# Altium PCB Remote.PcbDoc (part 1 of 3)
Units mil, origin at the board's own origin, x right, y up, seen from the top; angles counter-clockwise.
Board outline 7743 x 3937.01 mil, 2 copper layers (Top Layer, Bottom Layer); 184 components, 143 nets, 617 pads, 744 vias.
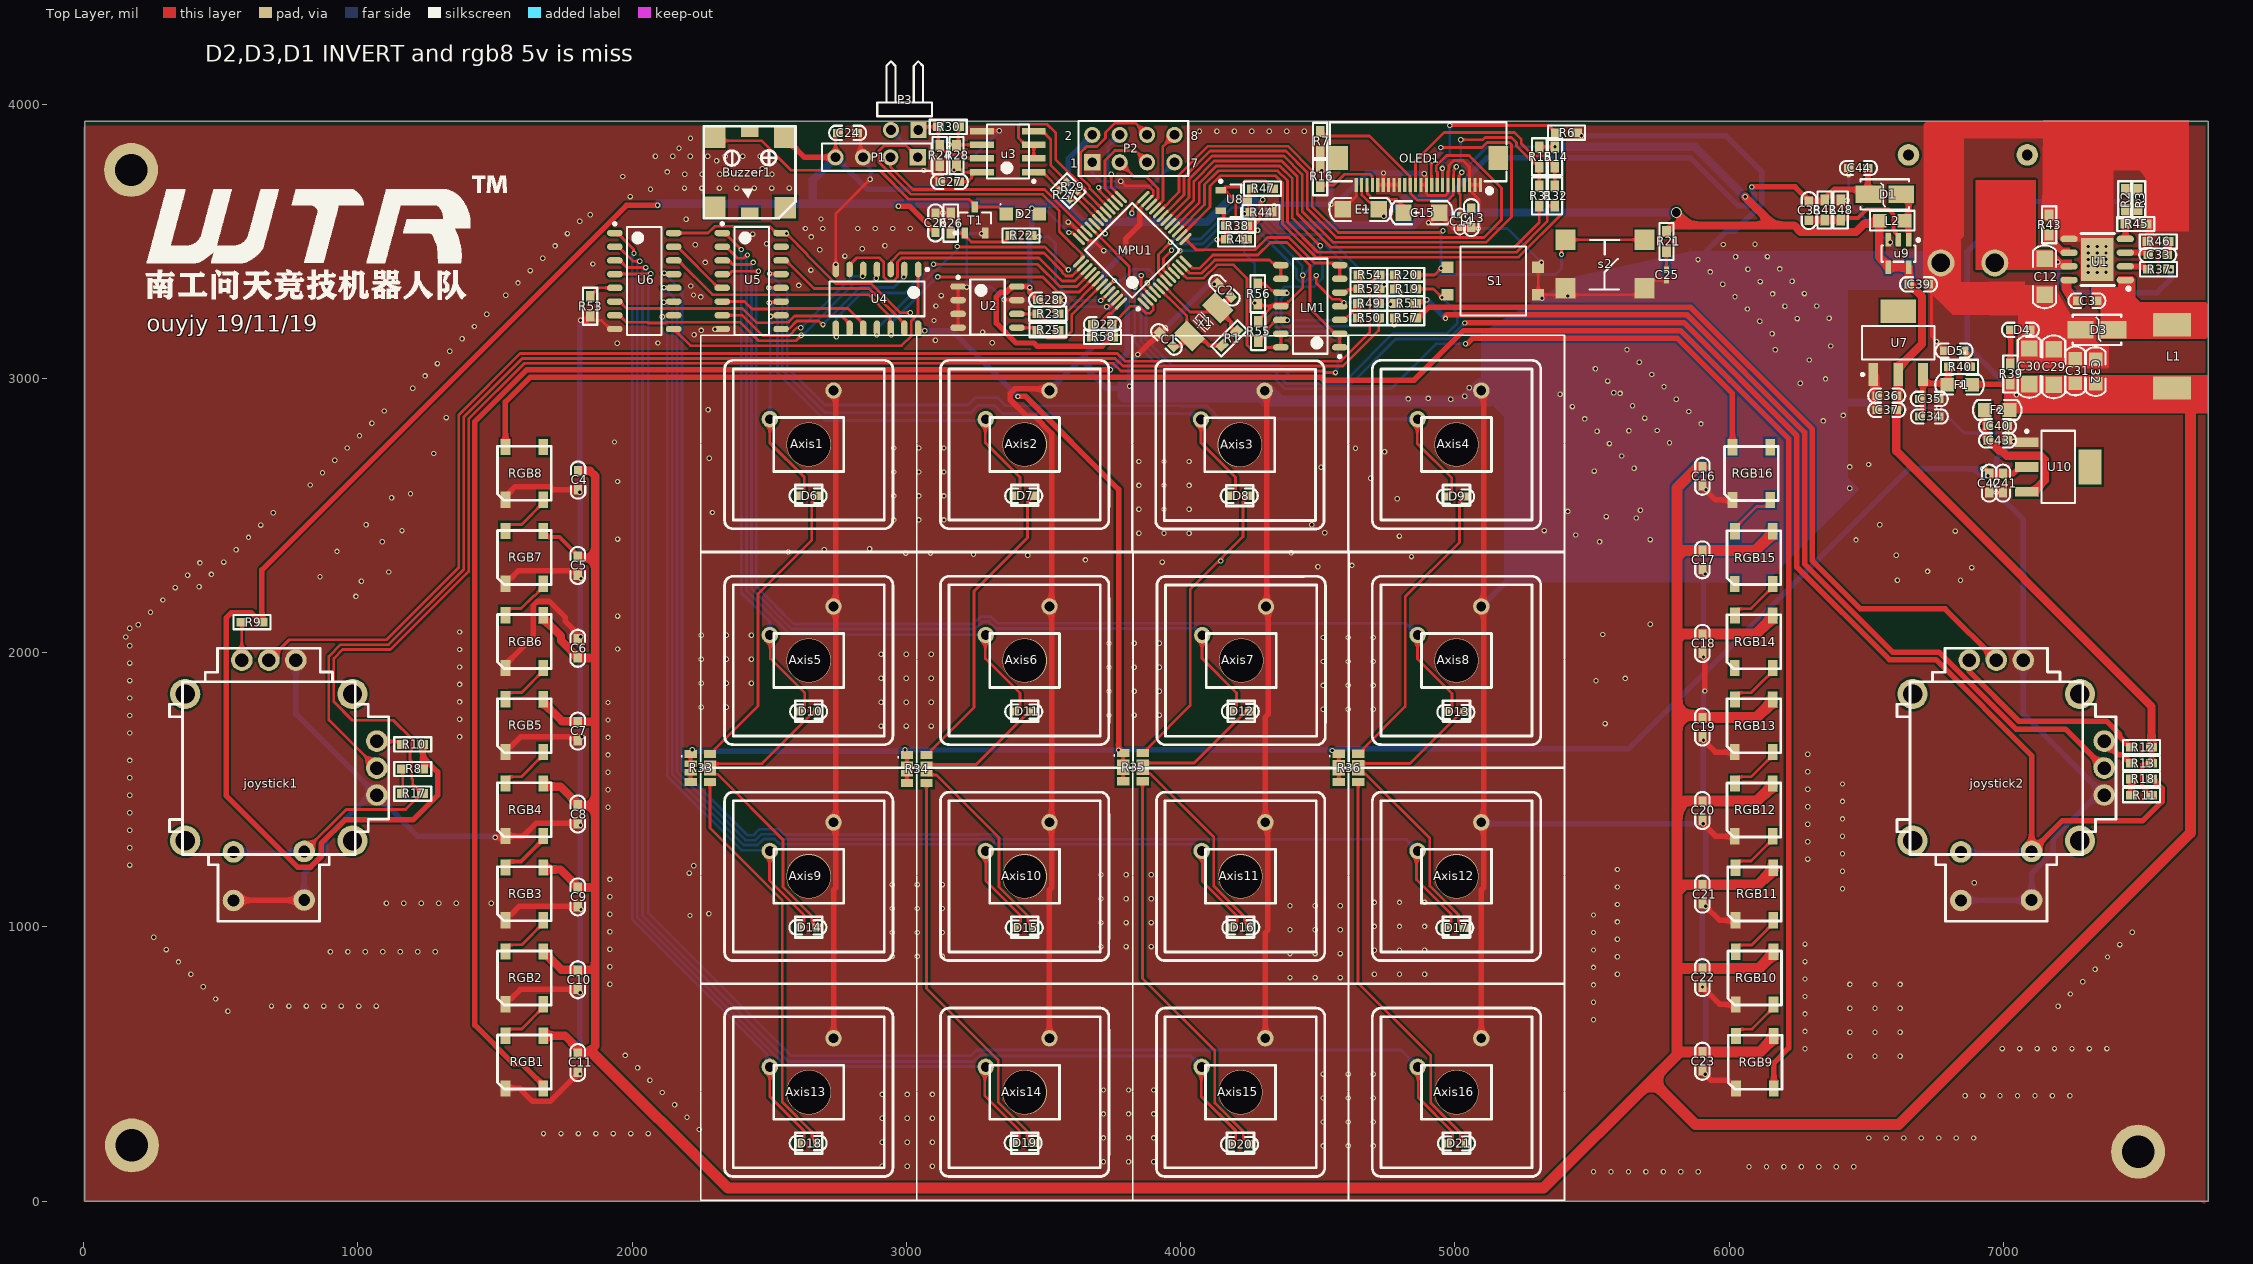
[diagram p0: Top Layer view]
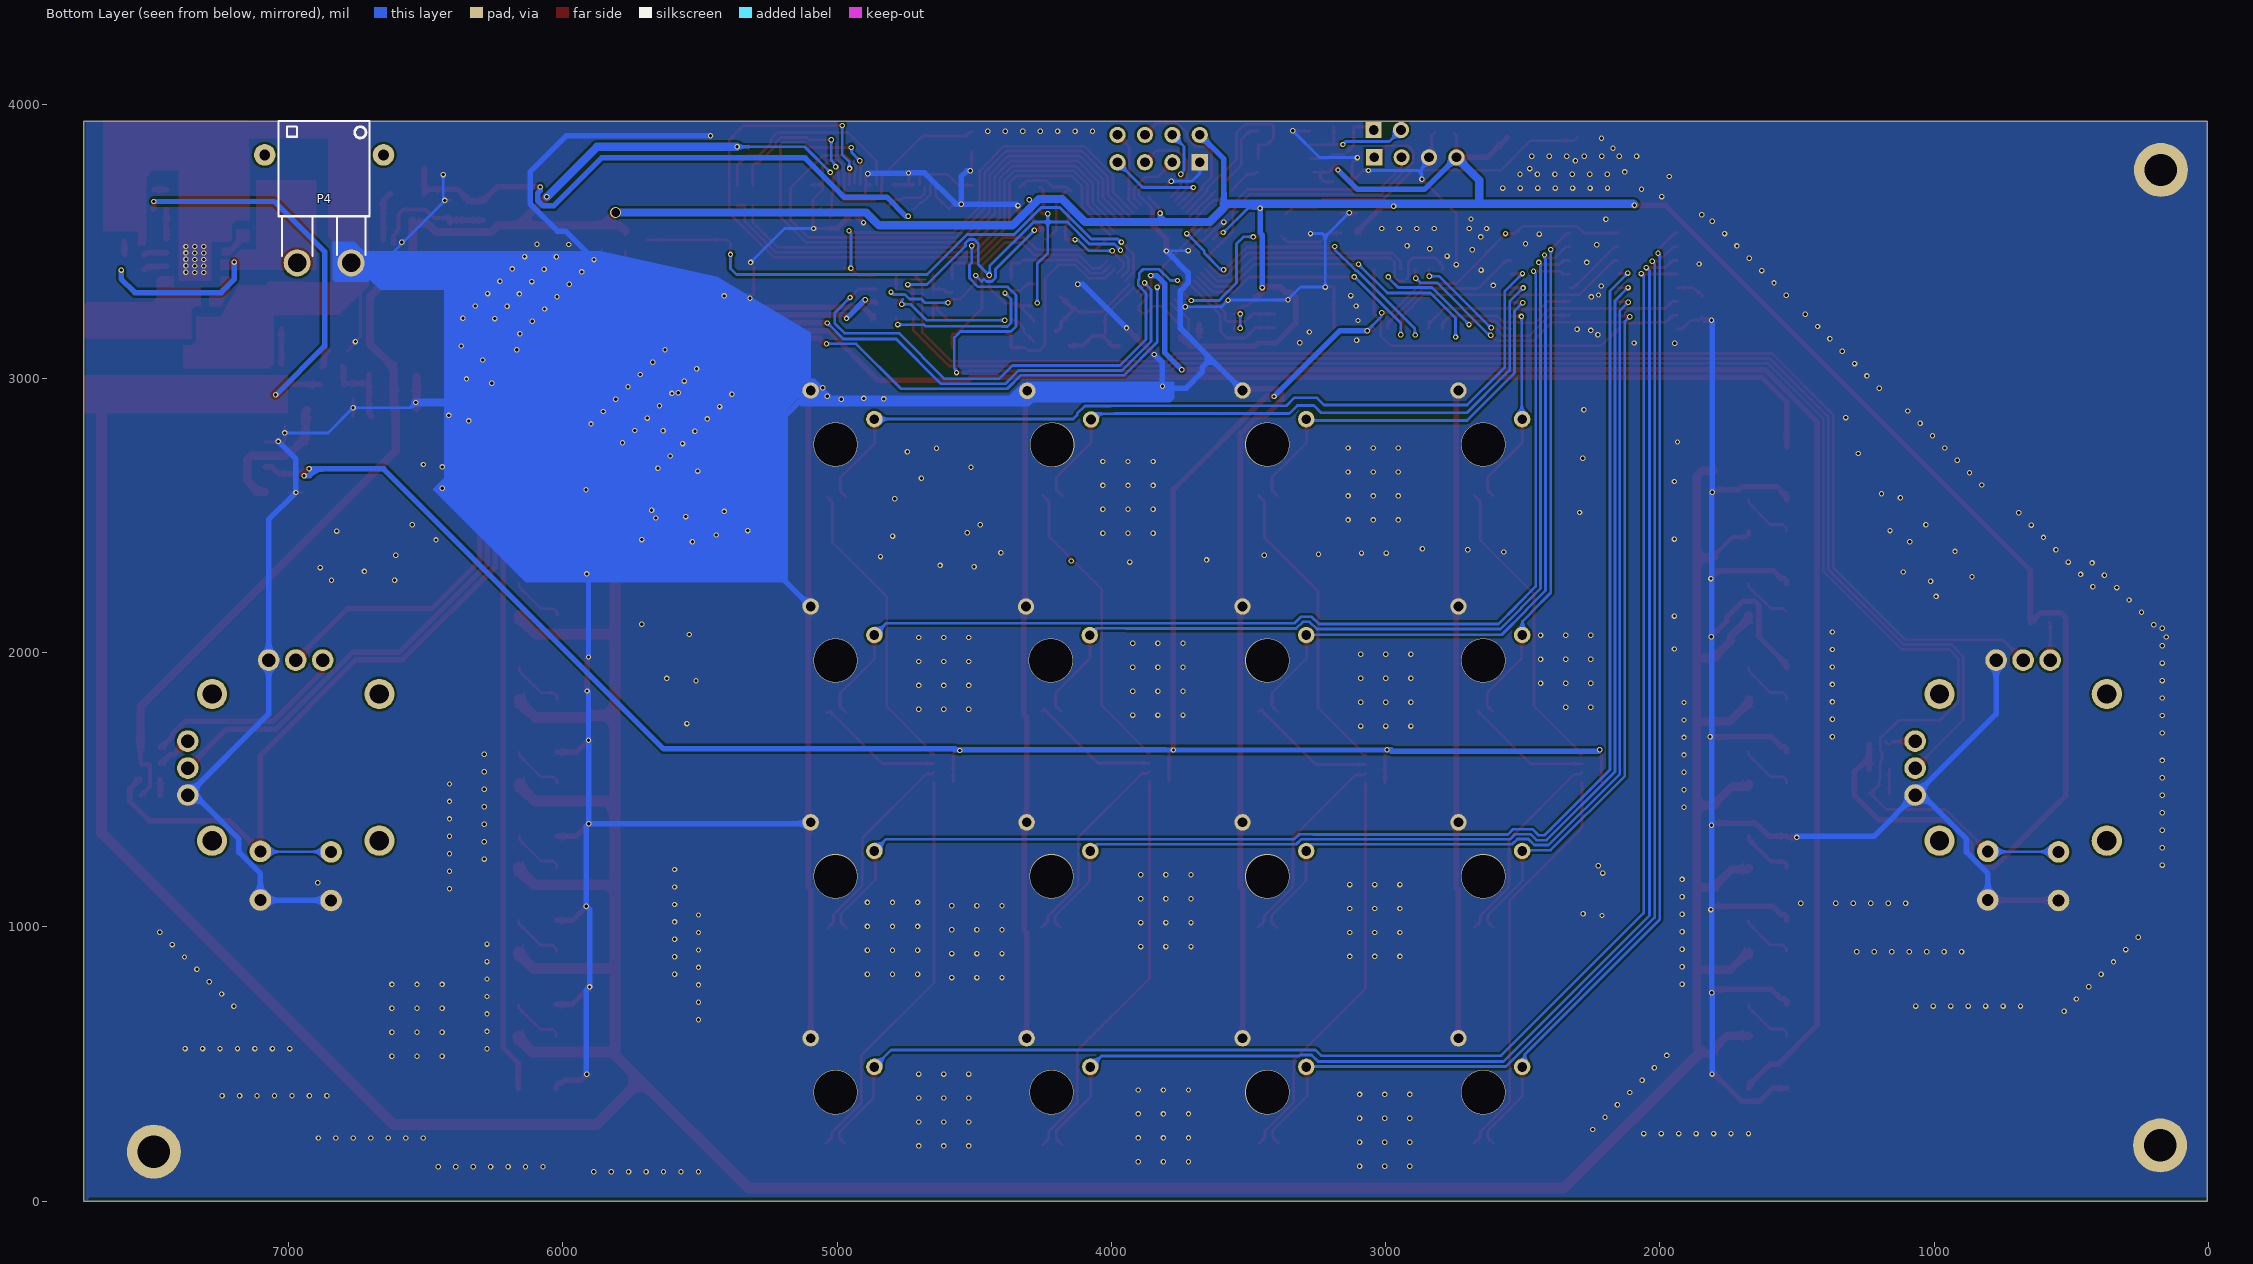
[diagram p1: Bottom Layer view, seen from below]
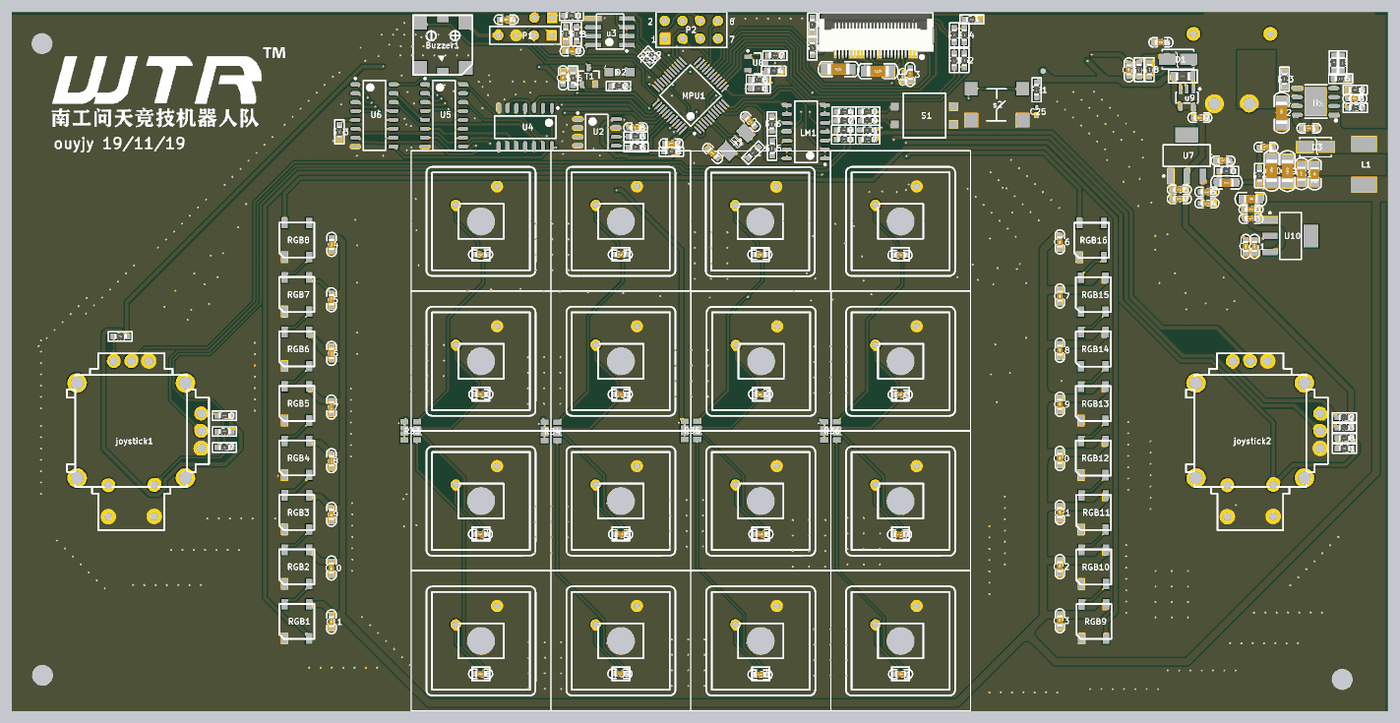
[diagram p4: 3D render of the assembled board from above, using the file's embedded part models]

## Layer stack, top to bottom
Top Solder: solder mask 0.4, Solder Resist, Dk 3.5
Top Layer: signal copper 1.4
Dielectric 1: dielectric 12.6, FR-4, Dk 4.8
Bottom Layer: signal copper 1.4
Bottom Solder: solder mask 0.4, Solder Resist, Dk 3.5

## Board outline
4,3149.61 4,3937.01 7747,3937.01 7747,3149.61 7747,0 4,0

## Design rules (kind name [scope] priority, off if disabled: settings)
Clearance [All] p1: gap=8 ignorepadtopadclearanceinfootprint=TRUE except(0: Arc-Hole Track-Hole SMDPad-Hole THPad-Hole Via-Hole Fill-Hole Poly-Hole Region-Hole Text-Hole)
HoleSize [All] p1: absolutevalues=TRUE maxlimit=1000 minlimit=1 maxpercent=80.000 minpercent=20.000
MinimumSolderMaskSliver [All] p1: minsoldermaskwidth=0
PlaneConnect [All] p1: planeconnectstyle=Direct reliefexpansion=20 reliefentries=4 reliefconductorwidth=10 reliefairgap=10
PolygonConnect [All] p1: connectstyle=Direct reliefconductorwidth=10 reliefentries=4 polygonreliefangle="90 Angle" airgapwidth=10
RoutingVias [All] p1: holewidth=11.81 width=19.68 viastyle="Through Hole" minholewidth=11.81 minwidth=19.68 maxholewidth=11.81 maxwidth=19.68
SilkToSilkClearance [All] p1: silktosilkclearance=0
SilkToSolderMaskClearance [IsPad] p1: minsilkscreentomaskgap=0 clearancetoexposedcopper=TRUE
SolderMaskExpansion [All] p1: expansion=4
Width [All] p1: maxlimit=50 minlimit=10 preferedwidth=10 minimp=50.000000 maximp=50.000000 favimp=50.000000
25 further rules are at their usual default settings.

## Components (designator, comment, footprint, x,y, rotation, side; value= is the part's Value field where it differs from the comment)
Axis1 "keyboard_axis" KEY_AXIS 2644,2758.91 r0 top
Axis2 "keyboard_axis" KEY_AXIS 3431.4,2758.9 r0 top
Axis3 "keyboard_axis" KEY_AXIS 4216.22,2757.7 r0 top
Axis4 "keyboard_axis" KEY_AXIS 5006.2,2758.91 r0 top
Axis5 "keyboard_axis" KEY_AXIS 2644,1971.5 r0 top
Axis6 "keyboard_axis" KEY_AXIS 3431.4,1971.5 r0 top
Axis7 "keyboard_axis" KEY_AXIS 4221,1971 r0 top
Axis8 "keyboard_axis" KEY_AXIS 5006.2,1971.5 r0 top
Axis9 "keyboard_axis" KEY_AXIS 2644,1184.1 r0 top
Axis10 "keyboard_axis" KEY_AXIS 3431.4,1184.1 r0 top
Axis11 "keyboard_axis" KEY_AXIS 4218.8,1184.1 r0 top
Axis12 "keyboard_axis" KEY_AXIS 5006.2,1184.1 r0 top
Axis13 "keyboard_axis" KEY_AXIS 2644,396.7 r0 top
Axis14 "keyboard_axis" KEY_AXIS 3431.4,396.7 r0 top
Axis15 "keyboard_axis" KEY_AXIS 4218.8,396.7 r0 top
Axis16 "keyboard_axis" KEY_AXIS 5006.2,396.7 r0 top
Buzzer1 "Buzzer_8530" BUZZER_8530 2429.36,3751.35 r90 top
C1 "22pF" "C 0603" 3948.58,3142 r135 top
C2 "22pF" "C 0603" 4159.96,3321.04 r315 top
C3 "100nF" "C 0603" 7305,3283 r180 top
C4 "100pF" "C 0603" 1803,2629 r90 top
C5 "100pF" "C 0603" 1802,2317.86 r90 top
C6 "100pF" "C 0603" 1802,2015.71 r270 top
C7 "100pF" "C 0603" 1802,1713.57 r90 top
C8 "100pF" "C 0603" 1802,1411.43 r90 top
C9 "100pF" "C 0603" 1802,1109.29 r90 top
C10 "100pF" "C 0603" 1802,807.14 r90 top
C11 "100pF" "C 0603" 1802,505 r90 top
C12 "10uF/50V 1206" "C 1206" 7151,3370.65 r90 top
C13 "4.7uF/16V" "C 0603" 5060.16,3586.42 r90 top
C14 "0.1uF/16V" "C 0402" 5018.69,3572.07 r90 top
C15 "10UF/16V" "C 1206 - POLAR" 4877.99,3604 r0 top
C16 "100pF" "C 0603" 5903,2643 r90 top
C17 "100pF" "C 0603" 5903,2338.29 r90 top
C18 "100pF" "C 0603" 5903,2033.57 r90 top
C19 "100pF" "C 0603" 5903,1728.86 r90 top
C20 "100pF" "C 0603" 5903,1424.14 r90 top
C21 "100pF" "C 0603" 5903,1119.43 r90 top
C22 "100pF" "C 0603" 5903,814.71 r90 top
C23 "100pF" "C 0603" 5903,510 r90 top
C24 "0.1uF" "C 0603" 2786,3895 r0 top
C25 "1uf" 0402 5772,3377 r270 top
C26 "10uF" "C 0603" 3106,3567 r270 top
C27 "104" "C 0603" 3157,3717 r180 top
C28 "104" "C 0603" 3515,3287 r0 top
C29 "22uF/6.3V 1206" "C 1206" 7184,3042 r90 top
C30 "22uF/6.3V 1206" "C 1206" 7095,3044 r90 top
C31 "10uF 0805" "C 0805" 7263,3027 r90 top
C32 "10uF 0805" "C 0805" 7337,3025 r90 top
C33 "150pF" "C 0603" 7563.51,3450 r0 top
C34 "10uF" "C 0603" 6730.55,2861 r180 top
C35 "0.1uF" "C 0603" 6730,2925 r180 top
C36 "0.1uF" "C 0603" 6575,2937 r180 top
C37 "10uF" "C 0603" 6575,2885 r180 top
C38 "22pF/16V" "C 0603" 6291,3612 r90 top
C39 "4.7uF/16V" "C 0603" 6691,3343 r180 top
C40 "10uF" "C 0603" 6979,2826 r180 top
C41 "0.1uF" "C 0603" 6999,2618 r270 top
C42 "10uF" "C 0603" 6949,2618 r270 top
C43 "0.1uF" "C 0603" 6979,2774 r180 top
C44 "1uF" "C 0603" 6472,3767 r0 top
D1 "SS54" DO-214AC/SMA 6567.96,3671 r180 top
D2 "Diode" SOD-123FL 3424,3599 r0 top
D3 "SS54" DO-214AC/SMA 7342,3177 r0 top
D4 "绿色LED0603" "C 0603" 7062.5,3177 r0 top
D5 "绿色LED0603" "C 0603" 6821,3101 r180 top
D6 "LED" "C 0603" 2641.78,2572 r180 top
D7 "LED" "C 0603" 3428,2572 r180 top
D8 "LED" "C 0603" 4214.22,2572 r180 top
D9 "LED" "C 0603" 5003,2569 r180 top
D10 "LED" "C 0603" 2643.78,1785 r180 top
D11 "LED" "C 0603" 3428,1785 r180 top
D12 "LED" "C 0603" 4218,1786 r180 top
D13 "LED" "C 0603" 5004,1783 r180 top
D14 "LED" "C 0603" 2641,998 r180 top
D15 "LED" "C 0603" 3430,997 r180 top
D16 "LED" "C 0603" 4219.78,998 r180 top
D17 "LED" "C 0603" 5000,996 r180 top
D18 "LED" "C 0603" 2642,211 r180 top
D19 "LED" "C 0603" 3426,212 r180 top
D20 "LED" "C 0603" 4215,207 r180 top
D21 "LED" "C 0603" 5006.2,210 r180 top
D22 "LED" "C 0603" 3715,3197 r0 top
E1 "10UF/16V" "C 1206 - POLAR" 4657,3616 r180 top
F1 "Fuse" F0805 6841,2977 r180 top
F2 "Fuse" F0805 6978,2885 r180 top
joystick1 "joystick" JOYSTICK 675.39,1579 r0 top
joystick2 "joystick" JOYSTICK 6974.61,1579 r0 top
L1 "10uH 功率电感" 10UH 7615,3195.32 r270 top
L2 "22uH" "R 0805" 6595,3575 r0 top
LM1 "LM324" LM324 4473.28,3263 r180 top
MPU1 "STM32F103C8T6" STM32F103C8T6 3824,3467 r135 top
OLED1 "24PIN插接OLED" "FPC0.5 2H-S-W-24P" 4867,3804 r180 top
P1 "Header 4" HDR1X4 3042,3806 r180 top
P2 "Header 4X2" HDR2X4 3678,3788 r0 top
P3 "Header 2H" HDR1X2H 3044,3906 r180 top
P4 "Header 2H" XT30-PW-M 6871,3618 r180 bottom
R1 "1M" "R 0603" 4178,3146 r225 top
R2 "200K" "R 0603" 7445.51,3651.5 r270 top
R3 "15K" "R 0603" 7491.51,3651.5 r270 top
R6 "4.7K" "R 0603" 5407,3896 r180 top
R7 "4.7K" "R 0603" 4509,3864.5 r90 top
R8 "0R" "R 0603" 1200,1575.5 r0 top
R9 "0R" "R 0603" 613.5,2111 r180 top
R10 "0R" "R 0603" 1200,1665 r180 top
R11 "0R" "R 0603" 7504.5,1480 r0 top
R12 "0R" "R 0603" 7504.5,1655 r180 top
R13 "0R" "R 0603" 7504.5,1597 r180 top
R14 "4.7K" "R 0603" 5365,3808 r270 top
R15 "4.7K" "R 0603" 5308,3808 r270 top
R16 "910K" "R 0603" 4509,3735.5 r270 top
R17 "10K" "R 0603" 1200,1486 r180 top
R18 "10K" "R 0603" 7504.5,1539 r180 top
R19 "10K" "R 0603" 4821,3326 r0 top
R20 "10K" "R 0603" 4821,3377 r180 top
R21 "10K" "R 0603" 5772,3499.5 r90 top
R22 "510R" "R 0603" 3418,3521 r180 top
R23 "4.7K" "R 0603" 3516,3236 r0 top
R24 "360R" "R 0603" 3122,3812.5 r270 top
R25 "4.7K" "R 0603" 3516.5,3176 r0 top
R26 "10K" "R 0603" 3162,3566 r90 top
R27 "0R" "R 0402" 3576,3669 r315 top
R28 "360R" "R 0603" 3183,3813 r90 top
R29 "0R" "R 0402" 3605,3699 r135 top
R30 "120R" "R 0603" 3153,3917 r0 top
R31 "0R" "R 0603" 5308,3665.5 r270 top
R32 "0R" "R 0603" 5365,3665.5 r270 top
R33 "1K" CHIP-ARRY 2248.57,1579.25 r0 top
R34 "1K" CHIP-ARRY 3038,1576 r0 top
R35 "1K" CHIP-ARRY 3826,1582 r0 top
R36 "1K" CHIP-ARRY 4612,1580 r0 top
R37 "100K" "R 0603" 7566.01,3398 r0 top
R38 "10R  0.1%" "R 0603" 4204.66,3556 r0 top
R39 "560R" "R 0603" 7026,3016 r90 top
R40 "560R" "R 0603" 6840.5,3042 r0 top
R41 "20K 0.1" "R 0603" 4204.22,3507 r180 top
R42 "2M" "R 0603" 6349,3613.5 r90 top
R43 "100K" "R 0603" 7167,3560 r270 top
R44 "0R" "R 0603" 4293,3606 r0 top
R45 "40.2K" "R 0603" 7483.51,3563 r180 top
R46 "100K" "R 0603" 7565.01,3499 r0 top
R47 "100K 0.1" "R 0603" 4299,3692 r0 top
R48 "205K" "R 0603" 6407,3613.5 r270 top
R49 "100K 0.1%" "R 0603" 4686,3273 r180 top
R50 "100K 0.1%" "R 0603" 4686,3220 r0 top
R51 "100K 0.1%" "R 0603" 4821,3273 r0 top
R52 "100K 0.1%" "R 0603" 4687.5,3327 r180 top
R53 "4.7K" "R 0603" 1847,3263 r270 top
R54 "100K 0.1%" "R 0603" 4687.5,3377 r0 top
R55 "100K 0.1%" "R 0603" 4283,3170.76 r90 top
R56 "100K 0.1%" "R 0603" 4281.61,3308.5 r270 top
R57 "100K 0.1%" "R 0603" 4821,3220 r0 top
R58 "560R" "R 0603" 3715.5,3151 r0 top
RGB1 "ws2812" WS2812-5050-4P 1607,507 r270 top
RGB2 "ws2812" WS2812-5050-4P 1607,813.67 r270 top
RGB3 "ws2812" WS2812-5050-4P 1607,1120.33 r270 top
RGB4 "ws2812" WS2812-5050-4P 1607,1427 r270 top
RGB5 "ws2812" WS2812-5050-4P 1607,1733.67 r270 top
RGB6 "ws2812" WS2812-5050-4P 1607,2040.33 r270 top
RGB7 "ws2812" WS2812-5050-4P 1607,2347 r270 top
RGB8 "ws2812" WS2812-5050-4P 1607,2653.67 r270 top
RGB9 "ws2812" WS2812-5050-4P 6094.4,506.33 r270 top
RGB10 "ws2812" WS2812-5050-4P 6093.4,813 r270 top
RGB11 "ws2812" WS2812-5050-4P 6092.4,1119.67 r270 top
RGB12 "ws2812" WS2812-5050-4P 6090.4,1426.33 r270 top
RGB13 "ws2812" WS2812-5050-4P 6090.4,1733 r270 top
RGB14 "ws2812" WS2812-5050-4P 6090.4,2039.67 r270 top
RGB15 "ws2812" WS2812-5050-4P 6090.4,2346.33 r270 top
RGB16 "ws2812" WS2812-5050-4P 6081.4,2653 r270 top
S1 "switch_2p" SWITCH_2P 5139,3355 r270 top
s2 "key" KEY 5543,3412 r270 top
T1 "S8050" SOT-23-3 3249.6,3577.24 r90 top
U1 "MP1584EN" SOIC-8-EP-150mil 7342.51,3433.5 r90 top
U2 "AT24C256C" SOIC-8 3296,3260 r0 top
u3 "sp3485" SP3485 3370.51,3827 r180 top
U4 "74HC08" SOIC-14-150MIL 2893,3289.72 r270 top
U5 "SN74HC148" SOIC-16-150MIL 2436,3355 r0 top
U6 "SN74HC148" SOIC-16-150MIL 2044.28,3355 r0 top
U7 "AMS1117-3.3" ASM1117 6617,3129.5 r90 top
U8 "tl431" SOT-23-3 4194,3648 r0 top
u9 "TPS61040DBV" SOT-23-5 6655.4,3505 r270 top
U10 "AMS1117-3.3" ASM1117 7201,2677 r0 top
x1 "XTAL" XTAL-5032-2P 4084,3206 r45 top
? "Comment" WTR_LOGO 234,3292 r0 top

## Footprints (in the part's own frame and the unit in brackets; to place one, negate y for a bottom-side part, rotate by r counter-clockwise, add the part's x,y. Pads: shape width x height; smd on the part's side, far side on the other; paste and mask are expansions set on the pad)
10UH [mm] "一体成型电感0630封装"
  rect 2.15x3.5 smd: 1(0,0) 2(5.85,0)
  body extent -0.73,-3.3 6.58,3.3, height 0.25
0402 [mm] "Chip Capacitor, Body 1.0x0.5mm, IPC High Density"
  rect 0.6x0.5 smd: 1(-0.5,0) 2(0.5,0)
  body extent -0.55,-0.3 0.55,0.3, height 1.3
ASM1117 [mm] "SOT223, 4-Leads, Body 6.51x7.00mm (avg), Pitch 2.30mm, IPC Medium Density"
  rect 2.15x0.9 smd: 1(-2.93,2.3) 2(-2.93,0) 3(-2.93,-2.3)
  rect 2.15x3.25 smd: 4(2.93,0)
  silkscreen extent -3.05,-3.35 1.55,3.42, body extent -1.86,-3.35 1.86,3.35, height 1.8
BUZZER_8530 [mm]
  rect 2x2 smd: 1(3.242,-3.217) 2(3.251,3.26) ""(-3.277,-3.267) ""(-3.242,3.267)
  rect 1x1.6 smd: ""(-3.759,0.009) ""(3.759,0.009)
  silkscreen extent -4.24,-4.23 4.26,4.27, body extent -4.24,-4.23 4.26,4.27, height 0.25
"C 0402" [mil] "无极性贴片电容"
  rect 25x20 smd: 1(-23,0.16) 2(23,0.16)
  silkscreen extent -48,-20 48,20, body extent -20,-10 20,10, height 20
"C 0603" [mil] "无极性贴片电容"
  rect 35x30 smd: 1(-35,0) 2(34,0)
  silkscreen extent -67,-26 67,26, body extent -31,-16 31,16, height 32
"C 0805" [mil] "无极性贴片电容"
  rect 50x50 smd: 1(-45,0) 2(45,0)
  silkscreen extent -89,-36 89,36, body extent -39,-24 39,24, height 20
"C 1206" [mil] "无极性贴片电容"
  rect 60x60 smd: 1(-65,0) 2(65,0)
  silkscreen extent -115,-42 115,42, body extent -63,-32 63,32, height 48
"C 1206 - POLAR" [mil] "钽电容"
  rect 60x60 smd: 1(-65,0) 2(65,0)
  silkscreen extent -115,-42 115,42, body extent -63,-32 63,32, height 48
CHIP-ARRY [mm] "Chip Array, ConvexS, 8-Leads, Pitch 0.80mm,  Body 3.20x1.60mm,  IPC Low Density"
  rect 1.15x0.75 smd: 1(-0.9,1.3) 4(-0.9,-1.3) 5(0.9,-1.3) 8(0.9,1.3)
  rect 1.15x0.6 smd: 2(-0.9,0.4) 3(-0.9,-0.4) 6(0.9,-0.4) 7(0.9,0.4)
  silkscreen extent -1.76,1.04 -1.66,1.14, body extent -0.9,-1.7 0.9,1.7, height 0.5
DO-214AC/SMA [mm] "SS54"
  rect 2.4x1.6 smd: 1(-1.525,0) 2(1.525,0)
  silkscreen extent -2.25,-1.4 2.25,1.4, body extent -2.25,-1.4 2.25,1.4, height 2.42
F0805 [mil] "自恢复保险丝"
  rect 50x50 smd: 1(-45,0) 2(45,0)
  silkscreen extent -89,-36 89,36, body extent -39,-24 39,24, height 20
"FPC0.5 2H-S-W-24P" [mm] "长：16.2mm，宽：5.2mm，高：2mm"
  rect 1.8x2.2 smd: 0(-7.4,0) 0(7.4,0)
  rect 0.3x1.3 smd: 1(-5.75,2.497) 2(-5.25,2.497) 3(-4.75,2.497) 4(-4.25,2.497) 5(-3.75,2.497) 6(-3.25,2.497) 7(-2.75,2.497) 8(-2.25,2.497) 9(-1.75,2.497) 10(-1.25,2.497) 11(-0.75,2.497) 12(-0.25,2.497) 13(0.25,2.497) 14(0.75,2.497) 15(1.25,2.497) 16(1.75,2.497) 17(2.25,2.497) 18(2.75,2.497) 19(3.25,2.497) 20(3.75,2.497) 21(4.25,2.497) 22(4.75,2.497) 23(5.25,2.497) 24(5.75,2.497)
  silkscreen extent -8.18,-3.3 8.18,3.23, body extent -8.1,-3.15 8.1,2.85, height 2
HDR1X2H [mm] "Connector; Header; 2 Position; Right Angle"
  rect 1.5x1.5 hole 0.9: 1(0,0)
  round 1.5 hole 0.9: 2(2.54,0)
  silkscreen extent -1.27,-6.35 3.81,-1.27
HDR1X4 [mm] "Connector; Header; 4 Position"
  rect 1.5x1.5 hole 0.9: 1(0,0)
  round 1.5 hole 0.9: 2(2.54,0) 3(5.08,0) 4(7.62,0)
  silkscreen extent -1.27,-1.27 8.89,1.27
HDR2X4 [mm] "Connector; Header; 4x2 Position"
  rect 1.5x1.5 hole 0.9: 1(0,0)
  round 1.5 hole 0.9: 2(0,2.54) 3(2.54,0) 4(2.54,2.54) 5(5.08,0) 6(5.08,2.54) 7(7.62,0) 8(7.62,2.54)
  silkscreen extent -1.27,-1.27 8.89,3.81
JOYSTICK [mm]
  round 2 hole 1.25: 1(-2.5,10) 2(0,10) 3(2.5,10) 4(10,2.5) 5(10,0) 6(10,-2.5)
  round 2 hole 1.1: J1(-3.277,-12.268) J1(3.274,-12.222) J2(-3.277,-7.768) J2(3.274,-7.722)
  round 2.8 hole 1.8: ""(-7.753,-6.731) ""(-7.753,6.858) ""(7.747,-6.731) ""(7.747,6.858)
  silkscreen extent -9.2,-14.2 11.1,11.1, body extent -9.4,-14.35 11.18,11.18, height 0.25
KEY [mm]
  rect 1.9x1.85 smd: 1(-2.377,3.802) 1(-2.377,-3.548) 2(2.123,3.802) 2(2.123,-3.548)
  silkscreen extent -2.35,-1.32 2.22,1.48, body extent -3.43,-4.57 3.17,4.83, height 0.25
KEY_AXIS [mm]
  round 1.524 hole 0.9: 1(-3.6,2.35) 2(2.3,5)
  silkscreen extent -10,-10 10,10.1, body extent -7.87,-7.87 7.87,7.87, height 0.25
LM324 [mm] "SOIC, 14-Leads, Body 8.65x3.90mm, Pitch 1.27mm, IPC Medium Density"
  oval 1.45x0.6 smd: 1(-2.725,3.81) 2(-2.725,2.54) 3(-2.725,1.27) 4(-2.725,0) 5(-2.725,-1.27) 6(-2.725,-2.54) 7(-2.725,-3.81) 8(2.725,-3.81) 9(2.725,-2.54) 10(2.725,-1.27) 11(2.725,0) 12(2.725,1.27) 13(2.725,2.54) 14(2.725,3.81)
  silkscreen extent -2.85,-4.4 1.6,4.78, body extent -2,-4.4 2,4.4, height 1.75
"R 0402" [mil] "1/16W贴片电阻"
  rect 26x20 smd: 1(-24,0) 2(24,0)
  silkscreen extent -48,-21 48,21, body extent -20,-10 20,10, height 12
"R 0603" [mil] "1/10W贴片电阻"
  rect 40x31.5 smd: 1(-36.5,0) 2(36.5,0)
  silkscreen extent -67,-26 67,26, body extent -31,-16 32,16, height 16
"R 0805" [mil] "1/8W贴片电阻"
  rect 50x50 smd: 1(-45,0) 2(45,0)
  silkscreen extent -81,-36 81,36, body extent -39,-25 39,25, height 20
SOD-123FL [mm] "SODFL, 2-Leads, Body 1.80x3.70mm, IPC Medium Density"
  rect 1.25x1.2 smd: 1(-1.525,0) 2(1.525,0)
  silkscreen extent -2.1,-0.41 -0.18,0.95, body extent -1.45,-0.95 1.45,0.95, height 1.1
SOIC-8 [mm] "SOIC, 8-Leads, Body 4.93x3.90mm, Pitch 1.27mm, IPC Medium Density"
  oval 1.45x0.6 smd: 1(-2.725,1.905) 2(-2.725,0.635) 3(-2.725,-0.635) 4(-2.725,-1.905) 5(2.725,-1.905) 6(2.725,-0.635) 7(2.725,0.635) 8(2.725,1.905)
  silkscreen extent -2.85,-2.55 1.6,2.88, body extent -2,-2.55 2,2.55, height 1.75
SOIC-8-EP-150mil [mm]
  rect 4x3 smd: 0(0,0)
  oval 0.6x1.6 smd: 1(-1.905,-2.6) 2(-0.635,-2.6) 3(0.635,-2.6) 4(1.905,-2.6) 5(1.905,2.6) 6(0.635,2.6) 7(-0.635,2.6) 8(-1.905,2.6)
  silkscreen extent -2.85,-3.05 2.4,1.5
SOIC-14-150MIL [mm] "SOIC, 14-Leads, Body 8.65x3.90mm, Pitch 1.27mm, IPC Medium Density"
  oval 1.45x0.6 smd: 1(-2.725,3.81) 2(-2.725,2.54) 3(-2.725,1.27) 4(-2.725,0) 5(-2.725,-1.27) 6(-2.725,-2.54) 7(-2.725,-3.81) 8(2.725,-3.81) 9(2.725,-2.54) 10(2.725,-1.27) 11(2.725,0) 12(2.725,1.27) 13(2.725,2.54) 14(2.725,3.81)
  silkscreen extent -2.85,-4.4 1.6,4.79, body extent -2,-4.4 2,4.4, height 1.75
SOIC-16-150MIL [mm] "SOIC, 16-Leads, Body 9.90x3.90mm, Pitch 1.27mm, IPC Medium Density"
  oval 1.45x0.6 smd: 1(-2.725,4.445) 2(-2.725,3.175) 3(-2.725,1.905) 4(-2.725,0.635) 5(-2.725,-0.635) 6(-2.725,-1.905) 7(-2.725,-3.175) 8(-2.725,-4.445) 9(2.725,-4.445) 10(2.725,-3.175) 11(2.725,-1.905) 12(2.725,-0.635) 13(2.725,0.635) 14(2.725,1.905) 15(2.725,3.175) 16(2.725,4.445)
  silkscreen extent -2.85,-5 1.6,5.42, body extent -2,-5 2,5, height 1.75
SOT-23-3 [mm] "SOT23, 3-Leads, Body 2.90x2.45mm, Pitch 0.95mm, IPC Medium Density"
  rect 1x0.6 smd: 1(-1.2,0.95) 2(-1.2,-0.95) 3(1.2,0)
  silkscreen extent -1.32,-1.5 0.7,1.92, body extent -0.7,-1.5 0.7,1.5, height 1.1
SOT-23-5 [mil]
  rect 50x20 smd: 1(0,0) 2(0,-37.4) 3(0,-74.8) 4(100,-74.8) 5(100,0)
  silkscreen extent 0,-99 80,35
SP3485 [mm] "SOIC, 8-Leads, Body 5.0x4.0mm (max), Pitch 1.27mm"
  rect 2.2x0.6 smd: 1(-2.4,1.905) 2(-2.4,0.635) 3(-2.4,-0.635) 4(-2.4,-1.905) 5(2.4,-1.905) 6(2.4,-0.635) 7(2.4,0.635) 8(2.4,1.905)
  silkscreen extent -2.53,-2.5 1.93,2.88, body extent -2,-2.5 2,2.5, height 1.75
STM32F103C8T6 [mm] "TSQFP, 48-Leads, Body 7.00x7.00mm, Pitch 0.50mm, IPC Medium Density"
  oval 1.45x0.3 smd: 1(-4.225,2.75) 2(-4.225,2.25) 3(-4.225,1.75) 4(-4.225,1.25) 5(-4.225,0.75) 6(-4.225,0.25) 7(-4.225,-0.25) 8(-4.225,-0.75) 9(-4.225,-1.25) 10(-4.225,-1.75) 11(-4.225,-2.25) 12(-4.225,-2.75) 25(4.225,-2.75) 26(4.225,-2.25) 27(4.225,-1.75) 28(4.225,-1.25) 29(4.225,-0.75) 30(4.225,-0.25) 31(4.225,0.25) 32(4.225,0.75) 33(4.225,1.25) 34(4.225,1.75) 35(4.225,2.25) 36(4.225,2.75)
  oval 0.3x1.45 smd: 13(-2.75,-4.225) 14(-2.25,-4.225) 15(-1.75,-4.225) 16(-1.25,-4.225) 17(-0.75,-4.225) 18(-0.25,-4.225) 19(0.25,-4.225) 20(0.75,-4.225) 21(1.25,-4.225) 22(1.75,-4.225) 23(2.25,-4.225) 24(2.75,-4.225) 37(2.75,4.225) 38(2.25,4.225) 39(1.75,4.225) 40(1.25,4.225) 41(0.75,4.225) 42(0.25,4.225) 43(-0.25,4.225) 44(-0.75,4.225) 45(-1.25,4.225) 46(-1.75,4.225) 47(-2.25,4.225) 48(-2.75,4.225)
  silkscreen extent -4.35,-3.1 3.1,3.57, body extent -3.5,-3.5 3.5,3.5, height 1.6
SWITCH_2P [mm]
  rect 1.1x1.1 smd: 1(-1.27,4.191) 2(-1.27,-4.191) 3(1.27,4.191) 4(1.27,-4.191)
  silkscreen extent -3.2,-3 3.2,3.05, body extent -3.3,-4.83 3.3,4.83, height 0.25
WS2812-5050-4P [mm] "RGB集成光源"
  rect 1.5x0.9 smd: 1(-2.438,1.753) 2(-2.438,-1.75) 3(2.438,-1.753) 4(2.438,1.747)
  silkscreen extent -2.5,-2.47 2.5,2.5, body extent -2.97,-2.49 3,2.49, height 0.25
WTR_LOGO [mil]
  silkscreen extent -7,-4 1309,447
XT30-PW-M [mm]
  round 2 hole 1: 0(-5.5,5) 0(5.5,5)
  round 2.5 hole 1.7: 1(-2.5,-5) 2(2.5,-5)
  silkscreen extent -4.22,-4.34 4.19,8.13
XTAL-5032-2P [mm]
  rect 1.7x2.4 smd: 1(-1.85,0) 2(1.85,0)
  silkscreen extent -0.73,-0.77 0.73,0.87, body extent -2.5,-1.6 2.5,1.6, height 0.25

## Part data
C1 C2 C3 C4 C5 C6 C7 C8 C9 C10 C11 C12 C13 C14 C16 C17 C18 C19 C20 C21 C22 C23 C24 C26 C27 C28 C29 C30 C31 C32 C33 C34 C35 C36 C37 C38 C39 C40 C41 C42 C43 C44: library part C, "无极性贴片电容", 学习资源=ww
C15 E1: library part C-CAP, "直插电解电容", 学习资源=ww
C25: library part C
D1 D3: library part "Schottky Diode", "肖特基二极管", Package=SOD-123, SuppliersPartNumber=C8598, ComponentLink1Description=供?, ComponentLink1URL=http://www.szlcsc.com/product/details_9093.html, Supplier=LC
D2: "二极管", Package=SMA(DO-214AC), SuppliersPartNumber=C95872, ComponentLink1Description=供?, ComponentLink1URL=http://www.szlcsc.com/product/details_2841.html, Supplier=LC, 备注="1N4007 4007 编号C2"
D4 D5: library part LED, "发光二极管"
D6 D7 D8 D9 D10 D11 D12 D13 D14 D15 D16 D17 D18 D19 D20 D21 D22: "发光二极管"
F1 F2: "自恢复保险丝"
L1 L2: library part L, "小功率贴片电感", 学习资源=ww
MPU1: "mcu"
P1: "Header, 4-Pin", LatestRevisionDate=17-Jul-2002, LatestRevisionNote="Re-released for DXP Platform.", Publisher="Altium Limited"
P2: "Header, 4-Pin, Dual row", LatestRevisionDate=17-Jul-2002, LatestRevisionNote="Re-released for DXP Platform.", Publisher="Altium Limited"
P3 P4: "Header, 2-Pin, Right Angle", LatestRevisionDate=17-Jul-2002, LatestRevisionNote="Re-released for DXP Platform.", Publisher="Altium Limited"
R1 R7 R8 R9 R10 R11 R12 R13 R14 R15 R16 R17 R18 R22 R23 R24 R25 R26 R27 R28 R29 R30 R31 R32 R38 R41 R42 R44 R47 R48: library part R, "贴片电阻", 学习资源=ww
R2 R3 R6 R19 R20 R21 R37 R39 R40 R43 R45 R46 R49 R50 R51 R52 R53 R54 R55 R56 R57 R58: library part R
R33 R34 R35 R36: library part RA, "排阻"
RGB1 RGB2 RGB3 RGB4 RGB5 RGB6 RGB7 RGB8 RGB9 RGB10 RGB11 RGB12 RGB13 RGB14 RGB15 RGB16: "RGB集成光源"
T1: library part Triode, "NPN"
U1: "电源IC"
U2: "256KBIT_EEPROM", 学习资源=ww
U5 U6: "8-3encoder"
U8: "精密电压基准ic"
u9: "DC-DC(BUCK)"

## Free pads (board coordinates)
  round 196.85 hole 118.11: 6(173,3760) 6(176,203) 6(7492,180)

## Via types
v1: diameter 19.68, hole 11.81, Top Layer to Bottom Layer, tented both sides, 727 vias
v2: diameter 161.42, hole 157.48, Top Layer to Bottom Layer, tented both sides, 16 vias
v3: diameter 39.37, hole 31.5, Top Layer to Bottom Layer, tented both sides, 1 vias

## Nets (pads, with @x,y where several pads share a name; then routed paths per layer and width w, separated by ;. In a path a pad name is that pad's centre, name@x,y a point inside that pad or via, vN(x,y) a via of type N, cw(c..) or ccw(c..) an arc to the next point about the centre after c; other vN are vias at no path point)
485_RE: MPU1.29 u3.2 u3.3 | length 676.9
  Top Layer w10: u3.2@3465,3802 u3.3@3465,3852 3433.5,3852 3408.69,3876.81 3408.69,3919.2 3416.31,3926.81 3513.69,3926.81 3544.5,3896 3544.5,3798.5 3651.23,3691.77 3651.23,3681.52 MPU1.29@3727.26,3605.5
485_RX: R29.2 u3.4 | length 255.4
  Top Layer w10: u3.4@3465,3902 3496.5,3902 3526.5,3872 3526.5,3777.5 R29.2@3588.03,3715.97
485_TX: R27.1 u3.1 | length 123.4
  Top Layer w10: u3.1@3465,3752 3470.19,3752 3477,3745.19 3503.31,3745.19 3559.03,3689.47 R27.1@3559.03,3685.97
+5V: C4.2 C5.2 C6.2 C7.2 C8.2 C9.2 C10.2 C11.2 C16.2 C17.2 C18.2 C19.2 C20.2 C21.2 C22.2 C23.2 C29.1 C30.1 C31.1 C32.1 F1.1 F2.1 L1.2 R3.2 R39.1 RGB1.1 RGB2.1 RGB3.1 RGB4.1 RGB5.1 RGB6.1 RGB7.1 RGB9.1 RGB10.1 RGB11.1 RGB12.1 RGB13.1 RGB14.1 RGB15.1 | length 18616.9
  Top Layer w15: RGB7.1@1676,2443 1676,2431.19 1686.22,2420.97 1735.38,2420.97 1802,2354.36 C5.2@1802,2351.86
  Top Layer w20: F1.1@6886,2977 6887.25,2978.25 7024.75,2978.25 R39.1@7026,2979.5 ; v1(7492,3645) 7492,3618.16 R3.2@7493.33,3616.82
  Top Layer w30: RGB1.1@1676,603 1755,603 1819,539 1839.21,539 1848.11,547.89 1866,565.79 1866,852 ; RGB2.1@1676,909.67 1676,897.86 1678.72,895.14 1690.53,895.14 1742.02,843.64 C10.2@1802,843.64 ; RGB3.1@1676,1216.33 1676,1211.79 1678.72,1209.07 1738.72,1209.07 1802,1145.79 C9.2@1802,1143.29 1865.29,1143.29 1866,1144 ; RGB4.1@1676,1523 1676,1513.93 1678.72,1511.21 1738.72,1511.21 1802,1447.93 C8.2@1802,1445.43 1802,1442.93 1804.5,1442.93 1805.43,1442 1866,1442 ; RGB5.1@1676,1829.67 1676,1817.86 1743.78,1750.07 1802,1750.07 C7.2@1802,1747.57 1864.43,1747.57 1866,1746 ; RGB6.1@1676,2136.33 1676,2124.52 1740.36,2060.16 1740.36,2043.36 C6.2@1802,1981.71 1802,1980 1862,1980 1866,1976 ; C10.2@1802,841.14 C10.2@1802,843.64 ; C5.2@1802,2351.86 1802,2349.36 1804.5,2349.36 1808.86,2345 1866,2345 ; C4.2@1803,2663 1847,2663 1866,2644 1866,2345 ; C10.2@1802,843.64 1857.64,843.64 1866,852 ; 1866,852 1866,1144 ; 1866,1144 1866,1442 ; 1866,1442 1866,1746 ; 1866,1746 1866,1976 ; 1866,1976 1866,2345
  Top Layer w40: 1848.11,547.89 2349,47 5324,47 5717,440 ; C16.2@5903,2677 5886,2677 5810,2601 5810,2348 ; RGB12.1@6159.4,1522.33 6159.4,1515.09 6102.46,1458.14 C20.2@5903,1458.14 5839.14,1458.14 5810,1429 ; RGB13.1@6159.4,1829 6159.4,1821.75 6100.5,1762.86 C19.2@5903,1762.86 5903,1768 5897,1774 5894,1771 5810,1771 ; RGB14.1@6159.4,2135.67 6159.4,2128.42 6098.55,2067.57 C18.2@5903,2067.57 5829.57,2067.57 5810,2048 ; RGB15.1@6159.4,2442.33 6159.4,2435.09 6096.6,2372.29 C17.2@5903,2372.29 5834.29,2372.29 5810,2348 ; RGB11.1@6161.4,1215.67 6161.4,1208.42 6106.41,1153.43 C21.2@5903,1153.43 5837.43,1153.43 5810,1126 ; RGB10.1@6162.4,909 6162.4,901.76 6109.36,848.71 C22.2@5903,848.71 5813.29,848.71 5810,852 ; RGB9.1@6163.4,602.33 6163.4,595.09 6112.31,544 C23.2@5903,544 5821,544 5810,533 ; 7683,2920 7683,1343 6619,279 5878,279 5717,440 ; 5717,440 5810,533 ; 5810,533 5810,852 ; 5810,852 5810,1126 ; 5810,1126 5810,1429 ; 5810,1429 5810,1771 ; 5810,1771 5810,2048 ; 5810,2048 5810,2348
  Bottom Layer w20: v1(7048,2940) 7047,2940 6869,3118 6869,3462 7052,3645 v1(7492,3645)
+12VOLED: C38.2 C44.2 D1.2 E1.1 OLED1.23 R42.2 | length 2262.8
  Top Layer w10: OLED1.23@4660.31,3705.69 4661.09,3704.91 4661.09,3668.95 4689.04,3641 4697,3641 E1.1@4722,3616 ; C38.2@6291,3646 C38.2@6291,3648.5 ; R42.2@6345,3646 R42.2@6349,3650 R42.2@6349,3654.25 ; D1.2@6489.92,3689 6506,3672.92 D1.2@6507.92,3671
  Top Layer w20: v1(6083,3698) 6241.5,3698 C38.2@6291,3648.5 ; C38.2@6291,3646 R42.2@6345,3646 ; R42.2@6349,3654.25 6383.75,3689 D1.2@6489.92,3689 ; D1.2@6506,3672.92 C44.2@6506,3767
  Bottom Layer w20: v1(4741,3591) 4749,3591 4819.16,3661.16 4974.53,3661.16 5117.38,3804 5859,3804 6034,3629 6072.67,3629 6092,3648.33 6092,3675.67 6083,3684.67 v1(6083,3698)
A: P3.2 R28.2 R30.2 u3.6 | length 421
  Top Layer w10: v1(3156,3853) 3184.5,3853 R28.2@3185.5,3852 ; R30.2@3189.5,3917 3189.5,3856 R28.2@3185.5,3852 ; u3.6@3276.02,3852 R28.2@3185.5,3852
  Bottom Layer w10: P3.2@2944,3906 2986.53,3863.47 3145.53,3863.47 v1(3156,3853)
A0: U4.2 U5.9 | length 526.9
  Top Layer w10: U5.9@2543.28,3180 2545.89,3182.61 2573.5,3182.61 2600.42,3209.53 2679.85,3209.53 2693.38,3196 v1(2696,3196)
  Bottom Layer w10: v1(2696,3196) 2831,3331 2954,3331 2984,3361
  other v1: 2991,3370
A0`: U4.1 U6.9 | length 1158.8
  Top Layer w10: U6.9@2151.57,3180 2212.38,3119.19 2982.19,3119.19 3018.19,3155.19 3018.19,3209.44 3043,3234.25 U4.1@3043,3397
A1: U4.5 U5.7 | length 658.9
  Top Layer w10: U5.7@2328.72,3230 2401.86,3230 2476.67,3155.19 2571.53,3155.19 2601.18,3184.83 2614.83,3184.83 v1(2615,3185) ; v1(2841,3372) 2843,3374 U4.5@2843,3397
  Bottom Layer w10: v1(2615,3185) 2617.24,3185 2804.24,3372 v1(2841,3372)
A1`: U4.4 U6.7 | length 1121.2
  Top Layer w10: U6.7@1937,3230 1953.73,3230 1978.73,3205 2056.03,3205 2058.87,3202.16 2121.9,3202.16 2124.56,3204.81 2393,3204.81 2460.62,3137.19 2597.19,3137.19 v1(2617,3157) ; v1(2890.5,3365.5) 2891.75,3366.75 2891.75,3395.75 U4.4@2893,3397
  Bottom Layer w10: v1(2617,3157) 2621.54,3157 2813.54,3349 2874,3349 v1(2890.5,3365.5)
A2: U4.10 U5.6 | length 566
  Top Layer w10: U5.6@2328.72,3280 2410.07,3280 2437.07,3253 2514.46,3253 2516.27,3254.81 2787.35,3254.81 2843,3199.17 U4.10@2843,3182.43
A2`: U4.9 U6.6 | length 926.4
  Top Layer w10: U6.6@1937,3280 1955,3280 1980.19,3254.81 2402.5,3254.81 2454.15,3203.16 2514.46,3203.16 2516.3,3205 2570.43,3205 2592.96,3227.53 2764.64,3227.53 2793,3199.17 U4.9@2793,3182.43
ADC_L_X: LM1.1 LM1.2 MPU1.12 | length 891.6
  Top Layer w10: MPU1.12@4018.18,3425.94 4018.67,3425.94 4043.21,3401.4 4068.94,3401.4 4117.58,3450.04 4281.61,3450.04 4327.39,3495.81 4388.24,3495.81 4471.84,3412.2 4471.84,3254.99 4563.83,3163 LM1.2@4580.57,3163 LM1.1@4580.57,3113
ADC_L_X_IN: joystick1.5 R50.2 | length 5194.3
  Top Layer w10: joystick1.5@1069.09,1579 894.28,1753.82 894.28,1986.28 937,2029 1111.46,2029 1386,2303.54 1386,2859.54 1599.3,3072.84 3761.7,3072.84 3789.79,3044.76 4592.3,3044.76 4722.5,3174.96 R50.2@4722.5,3220
ADC_L_Y: LM1.6 LM1.7 MPU1.13 | length 685
  Top Layer w10: MPU1.13@4018.18,3508.06 4057.24,3469 4272,3469 4316.81,3513.81 4395.69,3513.81 4488.5,3421 LM1.7@4580,3421 ; LM1.6@4580.57,3363 LM1.7@4580.57,3413
ADC_L_Y_IN: joystick1.2 R54.2 | length 5084.3
  Top Layer w10: joystick1.2@675.39,1972.7 749.69,2047 1104,2047 1368,2311 1368,2867 1591.84,3090.84 3769.16,3090.84 3797.24,3062.76 4584.84,3062.76 4689.5,3167.41 4689.5,3346.75 4719.75,3377 R54.2@4724,3377
ADC_R_X: LM1.13 LM1.14 MPU1.10 | length 753.7
  Top Layer w10: MPU1.10@3990.34,3398.1 3990.34,3397.61 4022.55,3365.4 4083.85,3365.4 4132.5,3414.04 4192.96,3414.04 4242.09,3364.91 4242.09,3121.04 4261.87,3101.26 4304.13,3101.26 4315.87,3113 LM1.14@4366,3113 LM1.13@4366,3163 LM1.13@4382.73,3163
ADC_R_X_IN: joystick2.5 R51.2 | length 3506.7
  Top Layer w20: R51.2@4857.5,3273 4863.25,3278.75 4885.15,3278.75 4886.19,3279.79 ; v1(4966,3218.74) 4966,3227.42 4970.57,3231.99 5847.02,3231.99 6276,2803.01 6276,2322.6 6596.53,2002.07 6765.68,2002.07 7046.75,1721 7226.31,1721 joystick2.5@7368.31,1579
  Bottom Layer w20: v1(4898,3286.74) v1(4966,3218.74)
ADC_R_Y: LM1.8 LM1.9 MPU1.11 | length 456
  Top Layer w10: MPU1.11@4004.26,3412.02 4004.75,3412.02 4033.37,3383.4 4076.4,3383.4 4125.04,3432.04 4324.46,3432.04 4335.5,3421 4365.43,3421 4365.43,3413 4365.43,3363.57 LM1.9@4366,3363
ADC_R_Y_IN: joystick2.2 R57.2 | length 2938.4
  Top Layer w20: R57.2@4867,3221 4905.99,3259.99 5858.62,3259.99 6304,2814.61 6304,2334.2 6479.13,2159.07 6788.24,2159.07 joystick2.2@6974.61,1972.7
AGND: LM1.11 MPU1.8 R44.1 R47.1 R49.1 R52.1 R55.2 R56.2 U8.3 | length 2082.7
  Top Layer w10: MPU1.8@3962.5,3370.26 3962.5,3370.75 3937.42,3395.82 3937.42,3437.42 v1(3967,3467) ; v1(4232,3600) 4250.5,3600 R44.1@4256.5,3606 ; R44.1@4256.5,3614 4248.3,3622.2 4248.3,3646.59 4241.49,3653.4 4248.3,3660.21 4248.3,3687.25 4259.05,3698 R47.1@4262.5,3698 ; R55.2@4283,3207.26 4283,3211.51 4336.74,3265.25 ; R56.2@4290,3265.25 4336.74,3265.25 ; LM1.11@4352,3265.25 4336.74,3265.25 ; v1(4446,3376) 4446,3332 4387.51,3273.51 4345,3273.51 4336.74,3265.25 ; R49.1@4722.5,3273 4724,3274.5 R52.1@4724,3327 4728.25,3327 4743,3341.75 v1(4743,3342)
  Bottom Layer w10: v1(3967,3467) 3967,3468.15 3988.85,3490 4081,3490 4161,3570 4232,3570 ; v1(4232,3600) 4232,3570 ; v1(4271,3275) 4271,3418 4232,3457 4232,3570 ; v1(4743,3342) 4672.45,3342 4532.06,3482.39 4532.06,3492.96 4518.68,3506.34 4499.76,3506.34 4486.15,3492.73 4486.15,3416.15 v1(4446,3376) 4444.22,3377.78 4444.22,3409.08 4283.3,3570 4232,3570
AVCC3: MPU1.9 R38.1 R41.2 U8.2 | length 412
  Top Layer w10: MPU1.9@3976.91,3384.18 MPU1.9@3976.42,3384.18 3976.42,3384.67 3955.42,3405.66 3955.42,3421.94 v1@3995.74,3462.26 ; v1(4133,3506) 4166.72,3506 R41.2@4167.72,3507 4167.72,3555.56 R38.1@4168.16,3556 4157.41,3566.75 4157.41,3609.19 4150.6,3616 U8.2@4147,3616
  Bottom Layer w10: v1(3996.85,3465.69) 4082.93,3465.69 4123.24,3506 v1(4133,3506)
B: P3.1 R24.1 R30.1 u3.7 | length 358.2
  Top Layer w10: P3.1@3039,3909 3047,3917 R30.1@3116.5,3917 3116.5,3850.25 3150.2,3816.55 3150.2,3816.5 3197.13,3816.5 3211.63,3802 u3.7@3276.02,3802 ; P3.1@3044,3906 P3.1@3066,3928
BOOT0: MPU1.20 R20.1 S1.2 | length 1640.9
  Top Layer w10: MPU1.20@3920.74,3605.5 3994.54,3679.3 3994.54,3740.96 4100.33,3846.75 4391.47,3846.75 4480,3758.22 4480,3627.46 4575.46,3532 v1@4951,3532 ; R20.1@4857.5,3377 4925.6,3377 v1(4950,3401.4) 4970.4,3401.4 S1.2@4974,3405
  Bottom Layer w10: v1(4950,3401.4) 4950,3528.38 4957,3535.38 v1(4957,3538)
BOOT1: MPU1.44 R19.2 S1.4 | length 1964.9
  Top Layer w10: MPU1.44@3727.26,3328.5 3727.75,3328.5 3754.4,3355.15 3757.15,3355.15 v1(3759,3357) ; R19.2@4857.5,3326 4922,3326 v1(4953,3295)
  Bottom Layer w10: v1(3759,3357) 3785.1,3357 3825.94,3397.84 3884.16,3397.84 3899,3383 3899,3362.69 3901.84,3359.85 3901.84,3339.54 3873.84,3311.54 3873.84,3142.16 3969,3047 4361.2,3047 4410.05,2998.16 4608.37,2998.16 4775.22,3165 4973.54,3165 5009,3200.46 5009,3239 v1(4953,3295)
BS1: OLED1.6 OLED1.14 R7.2 R15.2 R31.1 | length 1275.6
  Top Layer w10: R7.2@4504,3899 4515,3899 4530,3884 4689.36,3884 4836.69,3736.67 4836.69,3706.47 OLED1.14@4837.47,3705.69 4838.25,3704.91 4838.25,3674.72 4863.87,3649.1 4974.33,3649.1 4994.17,3668.95 4994.17,3704.91 4995.73,3706.47 4995.73,3740.96 4995.84,3741.07 4995.84,3759.22 5006,3769.38 v1(5006,3772) ; v1(5021.48,3869.88) 5101.64,3869.88 5110.07,3878.31 5206.61,3878.31 5224.77,3860.15 5224.77,3847.23 5285.5,3786.5 5297.25,3786.5 5308,3775.75 R15.2@5308,3771.5 R31.1@5308,3702
  Bottom Layer w10: v1(5006,3772) 4999.7,3772 4998.51,3770.81 5021.48,3793.78 v1(5021.48,3869.88)
Buzzer: MPU1.45 R22.1 | length 481.9
  Top Layer w10: R22.1@3454.5,3521 3459.5,3516 v1(3483,3516) ; v1(3709,3284) 3710.11,3284 3740.69,3314.58 MPU1.45@3741.18,3314.58
  Bottom Layer w10: v1(3483,3516) 3519,3516 3544,3491 3544,3348.3 3597.84,3294.46 3597.84,3293.16 3607,3284 v1(3709,3284)
CE: MPU1.22 P2.3 | length 249.1
  Top Layer w10: P2.3@3778,3788 3830.46,3735.54 3874.9,3735.54 3917.98,3692.47 3917.98,3658.9 3892.9,3633.83 MPU1.22@3892.9,3633.34
CS: MPU1.14 OLED1.8 R6.2 | length 2731.5
  Top Layer w10: MPU1.14@4004.26,3521.98 4107.43,3625.15 4107.43,3701.11 4145.06,3738.75 4346.74,3738.75 4371.57,3713.91 4371.57,3563.38 4492.96,3442 5232.13,3442 5393.75,3603.62 5393.75,3869.88 5369.07,3894.57 5341.49,3922.15 4982.15,3922.15 v1(4982,3922) ; v1(4955,3765.7) 4955,3763.4 4958,3760.4 4955.29,3757.69 4955.29,3705.98 OLED1.8@4955.58,3705.69
  Bottom Layer w10: v1(4955,3765.7) 4956.54,3767.23 4956.54,3790.54 4982,3816 v1(4982,3922)
CSN: MPU1.25 P2.4 | length 264.1
  Top Layer w10: v1(3747,3744) 3747,3697.6 3782.94,3661.67 MPU1.25@3782.94,3661.18
  Bottom Layer w10: v1(3747,3744) 3747,3746.62 3735.47,3758.15 3735.47,3845.47 P2.4@3778,3888
D/C: MPU1.18 OLED1.10 | length 2324.6
  Top Layer w10: MPU1.18@3948.58,3577.66 4030.54,3659.62 4030.54,3726.05 4115.24,3810.75 4376.56,3810.75 4443.57,3743.73 4443.57,3609.43 4557,3496 5113.77,3496 5206.77,3589.01 5206.77,3852.69 5199.16,3860.31 5117.52,3860.31 5099.21,3842 v1(4949,3842) ; OLED1.10@4916.21,3705.69 4915.43,3706.47 4915.43,3739.79 4914.16,3741.07 4914.16,3787.54 4916.99,3790.37 v1@4916.99,3794
  Bottom Layer w10: v1(4918,3794) 4947.15,3823.15 4947.15,3840.15 v1(4949,3842)
EEPROM_SCL: MPU1.42 R23.1 U2.6 | length 386.4
  Top Layer w10: U2.6@3403.28,3235 3478.5,3235 R23.1@3479.5,3236 3483.75,3236 3512.5,3207.25 3577.88,3207.25 3585.5,3214.87 3585.5,3242.42 MPU1.42@3699.42,3356.34
EEPROM_SDA: MPU1.43 R25.1 U2.5 | length 437.6
  Top Layer w10: U2.5@3403.28,3185 R25.1@3479.5,3185 ; R25.1@3480,3176 3484.25,3176 3513,3147.25 3578.38,3147.25 3603.5,3172.37 3603.5,3232.58 MPU1.43@3713.34,3342.42